# Altium PCB MiniPC.PcbDoc (part 8 of 23)
Units mm, origin at the board's own origin, x right, y up, seen from the top; angles counter-clockwise.
Board outline 175 x 155 mm, 16 copper layers (1_Top, 2_int1_(gnd), 3_int2_(power), 4_int3_(gnd), 5_int4_(sign), 6_int5_(power), 7_int6_(sign), 8_int7_(power), 9_int8_(gnd), 10_int9_(sign), 11_int10_(gnd), 12_int11_(sign), 13_int12_(gnd), 14_int13_(power), 15_int14_(gnd), 16_Bottom), stack 2.008 mm thick; 1046 components, 841 nets, 6010 pads, 4016 vias.
Unrouted connection lines stored in the file: 602.
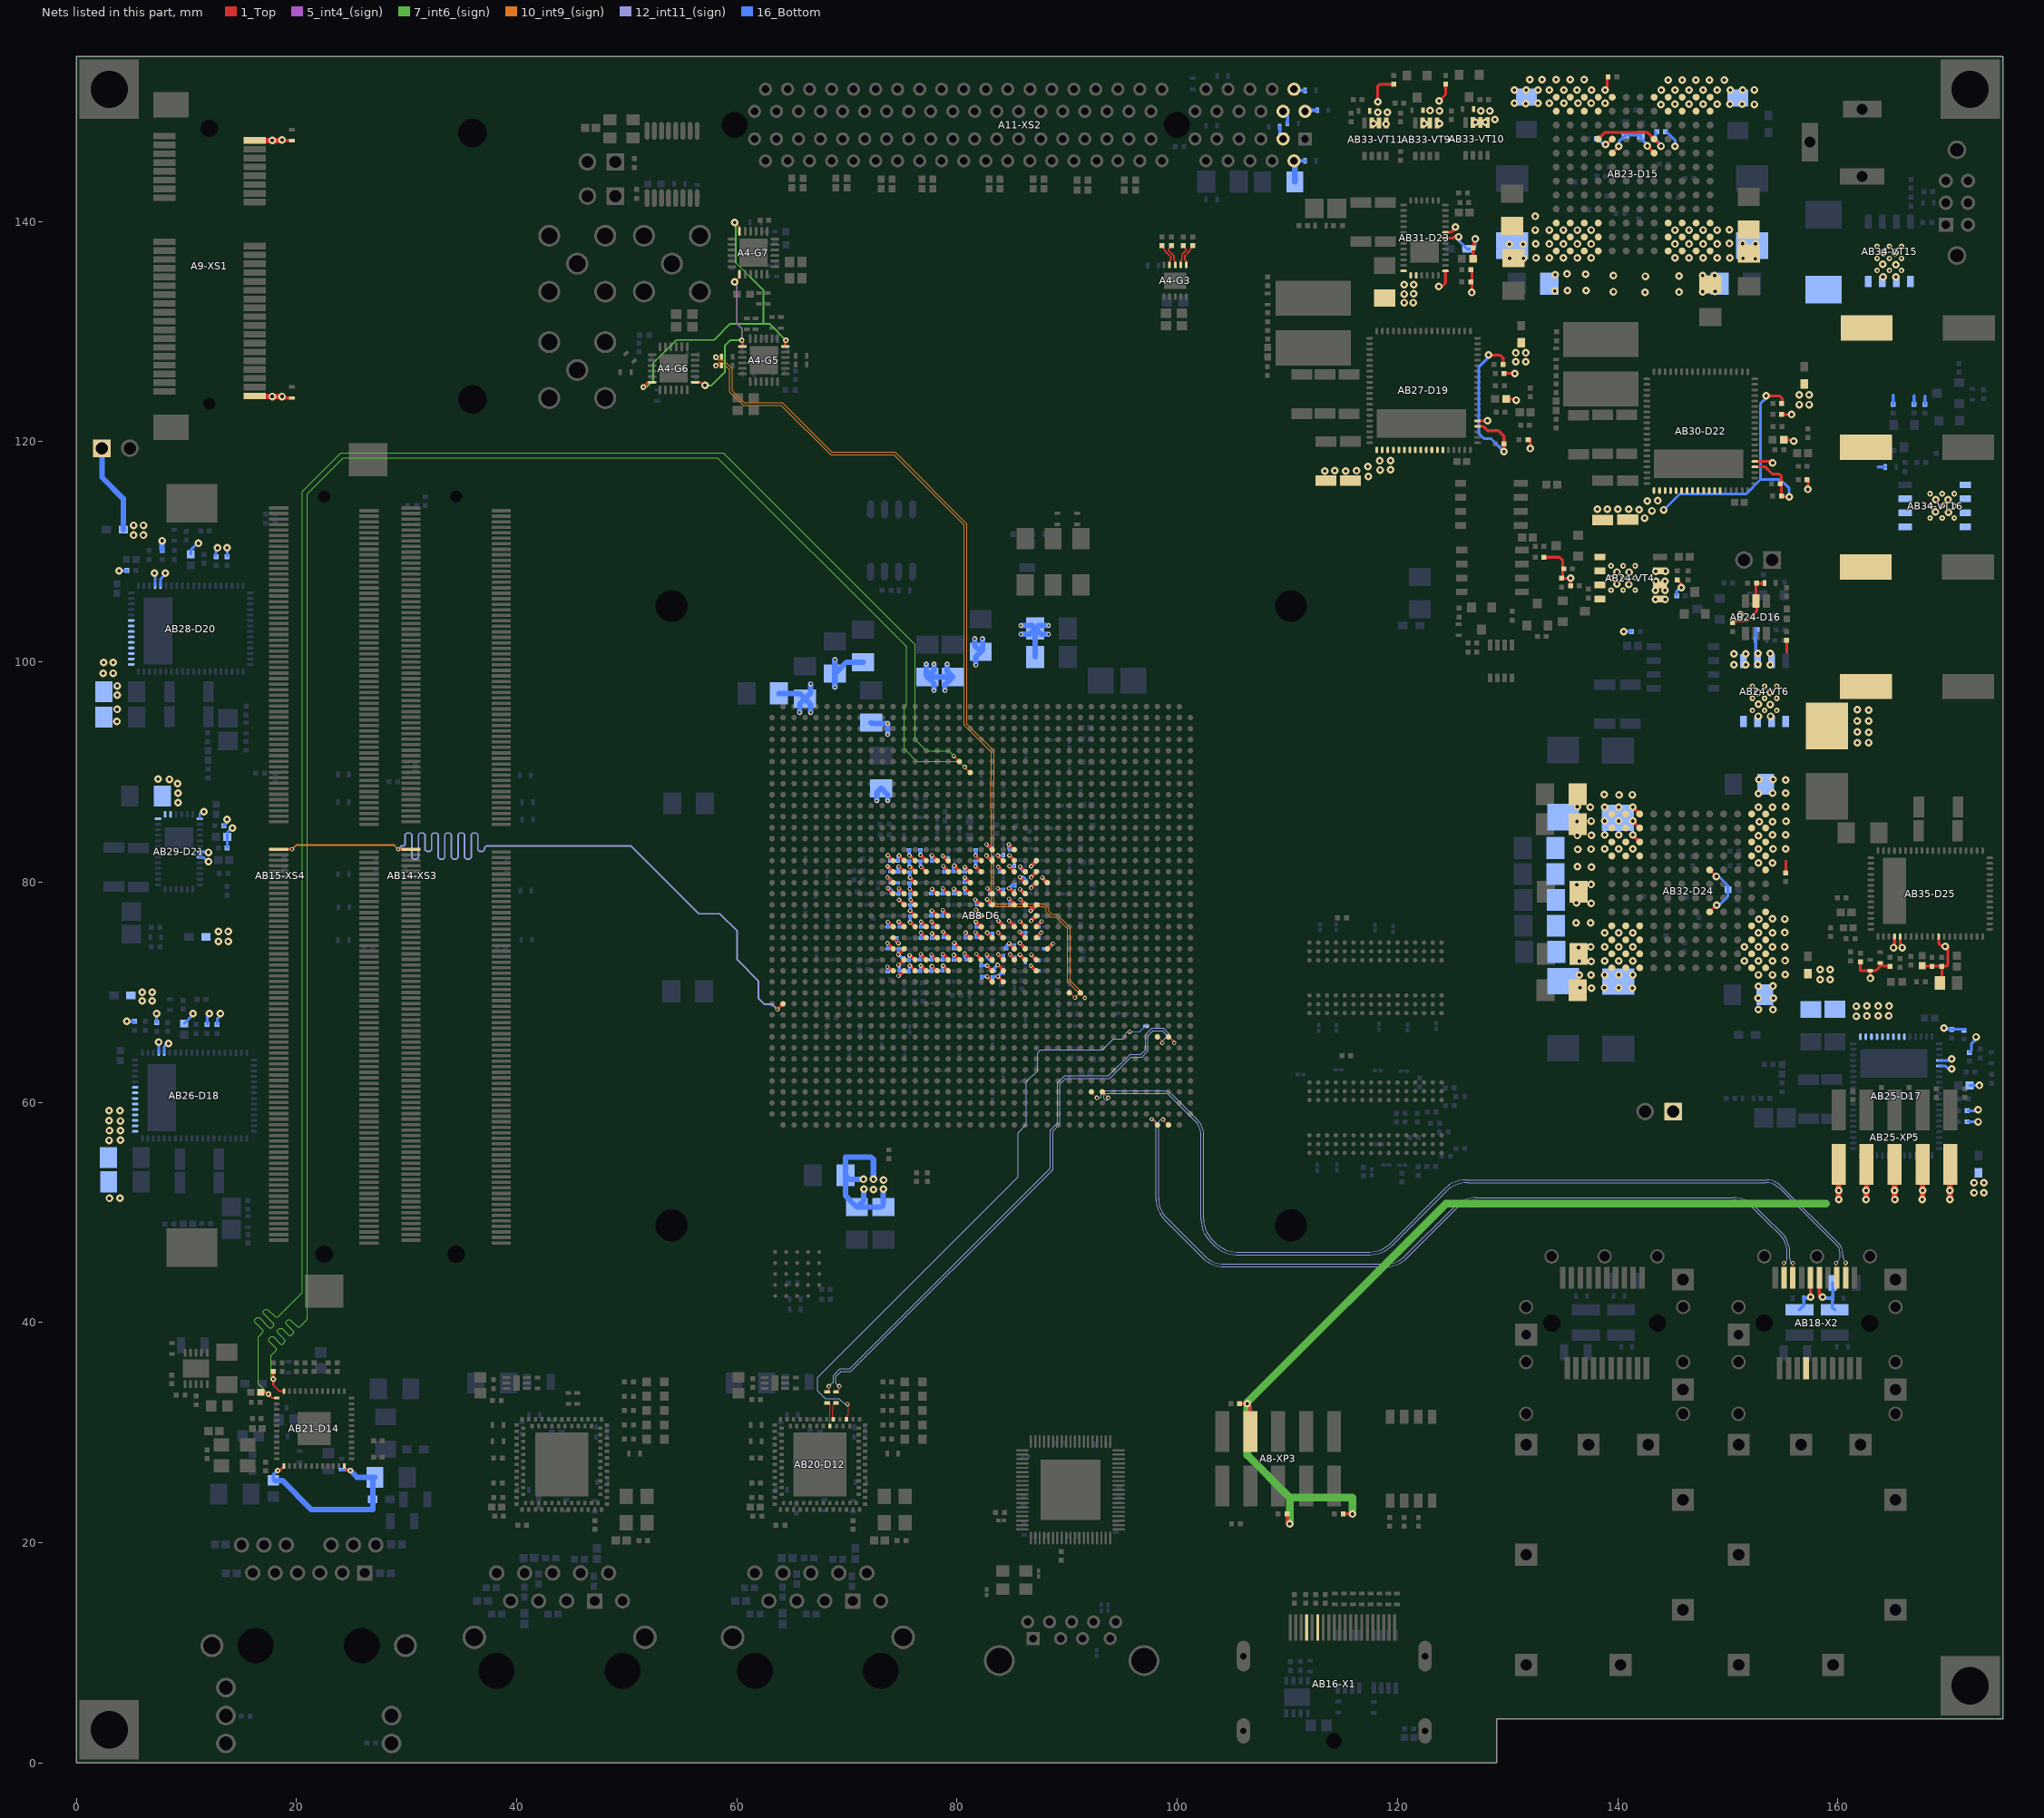
[diagram p22: the nets of this part, all layers, seen from the top]

## Via types
v1: diameter 0.4, hole 0.2, 1_Top to 16_Bottom, tented both sides, 1658 vias
v2: diameter 0.7, hole 0.3, 1_Top to 16_Bottom, tented both sides, 915 vias
v3: diameter 0.5, hole 0.2, 1_Top to 16_Bottom, tented both sides, 854 vias
v4: diameter 0.6, hole 0.2, 1_Top to 16_Bottom, 278 vias
v5: diameter 0.5, hole 0.2, 1_Top to 16_Bottom, 162 vias
v6: diameter 0.4, hole 0.2, 1_Top to 16_Bottom, 100 vias
v7: diameter 0.4/0/0/0/0/0/0/0/0/0/0/0/0/0/0/0.4 (per signal layer), hole 0.2, 1_Top to 16_Bottom, tented both sides, 18 vias
v8: diameter 0.4/0/0/0/0/0/0/0/0/0/0/0.4/0.4/0.4/0.4/0.4 (per signal layer), hole 0.2, 1_Top to 16_Bottom, tented both sides, 16 vias
v9: diameter 0.5, hole 0.254, 1_Top to 16_Bottom, 15 vias

## Nets (pads, with @x,y where several pads share a name; then routed paths per layer and width w, separated by ;. In a path a pad name is that pad's centre, name@x,y a point inside that pad or via, vN(x,y) a via of type N, cw(c..) or ccw(c..) an arc to the next point about the centre after c; other vN are vias at no path point) (continued)
2ENET_RXC_P: AB20-C390.2 AB20-D12.A42 | length 54.6
  1_Top w0.1: AB20-D12.A42@69.95,31.2 69.95,31.45 70.14,31.64 70.14,32.485 v1(70.05,32.575)
  12_int11_(sign) w0.09: v1(70.05,32.575) 69.8,32.575 69.275,33.1 68.04,33.1 67.34,33.8 67.34,35.032 85.54,53.232 85.54,57.241 86.3,58.001 86.3,61.861 87.3,62.861 87.3,64.488 87.572,64.76 93.199,64.76 94.189,65.75 95.045,65.75 95.315,66.02 95.315,66.225 95.49,66.4 v6(95.675,66.4)
  16_Bottom w0.1: v6(95.675,66.4) 96.575,66.4 97.025,66.85 97.1,66.85 AB20-C390.2@97.15,66.9
2ENET_TX_N: AB8-D6.AL36 AB20-C376.1 | length 51.5
  1_Top w0.1: AB20-C376.1@69,33.7 69.3,34 v1(69.3,34.2) v1@69.25,34.25 ; AB8-D6.AL36@98.194,65.939 98.63,65.503 v1(98.63,65.38)
  12_int11_(sign) w0.09: v1(69.3,34.2) 69,34.5 69,35.1 69.46,35.56 70.359,35.56 88.7,53.901 88.7,57.388 89.349,58.037 89.349,61.637 89.872,62.16 93.859,62.16 95.8,64.101 96.776,64.101 97.34,64.665 97.34,66.055 97.785,66.5 98.63,66.5 99.03,66.1 99.03,65.93 98.63,65.53 v1(98.63,65.38)
2ENET_TX_P: AB8-D6.AL37 AB20-C377.1 | length 52.3
  1_Top w0.1: AB20-C377.1@68.35,33.7 v1(68.35,34.2) v1@68.35,34.25 ; AB8-D6.AL37@99.194,65.939 99.261,65.939 99.71,65.49 v1(99.71,65.39)
  12_int11_(sign) w0.09: v1(68.35,34.2) 68.36,34.2 68.76,34.6 68.76,35.199 69.361,35.8 70.26,35.8 88.46,54 88.46,57.487 89.109,58.136 89.109,61.736 89.773,62.4 93.76,62.4 95.701,64.341 96.676,64.341 97.1,64.764 97.1,66.154 97.686,66.74 98.729,66.74 99.27,66.199 99.27,65.93 99.71,65.49 v1(99.71,65.39)
2ENET_TXC_N: AB20-C376.2 AB20-D12.A44 | length 1.7
  1_Top w0.1: AB20-D12.A44@68.75,31.2 68.7,31.25 68.7,31.989 68.72,32.009 68.72,32.52 68.9,32.7 AB20-C376.2@69,32.7
2ENET_TXC_P: AB20-C377.2 AB20-D12.B38 | length 2.3
  1_Top w0.1: AB20-C377.2@68.2,32.7 68.3,32.7 68.5,32.5 68.5,32.1 68.45,32.05 AB20-D12.B38@68.45,30.6
2EXT_SDA: AB18-X2.4
2SFP_RX_N: AB8-D6.AT30 AB18-X2.12 | length 87.9
  1_Top w0.1: AB8-D6.AT30@92.194,60.939 92.194,60.906 v8(92.7,60.4) ; AB18-X2.12@160.7,44.05 v8(160.7,45.425)
  12_int11_(sign) w0.09: v8(92.7,60.4) 92.997,60.4 93.097,60.5 93.097,60.736 93.4,61.039 ; 93.4,61.04 98.817,61.04 cw(c98.817,60.117) 99.47,60.77 101.806,58.433 cw(c100.373,57) 102.4,57 102.4,49.352 ccw(c104.94,49.352) 103.144,47.556 103.556,47.144 ccw(c105.352,48.94) 105.352,46.4 117.508,46.4 ccw(c117.508,48.94) 119.305,47.144 124.357,52.196 cw(c126.153,50.4) 126.153,52.94 153.544,52.94 cw(c153.544,51.165) 154.799,52.42 160.138,47.082 cw(c159.456,46.4) 160.42,46.4 160.42,46.099 ccw(c161.372,46.099) 160.699,45.426 v8(160.7,45.425)
2SFP_RX_P: AB8-D6.AT31 AB18-X2.13 | length 87.5
  1_Top w0.1: AB8-D6.AT31@93.194,60.939 v8(93.733,60.4) ; v8(159.825,45.4) 159.825,44.125 AB18-X2.13@159.9,44.05
  12_int11_(sign) w0.09: v8(93.733,60.4) 93.733,60.283 93.65,60.2 93.475,60.2 93.337,60.338 93.337,60.637 93.5,60.8 98.817,60.8 cw(c98.817,60.117) 99.3,60.6 ; 99.3,60.6 101.637,58.263 cw(c100.373,57) 102.16,57 102.16,49.352 ccw(c104.94,49.352) 102.974,47.386 103.386,46.974 ccw(c105.352,48.94) 105.352,46.16 117.508,46.16 ccw(c117.508,48.94) 119.474,46.974 124.386,51.886 cw(c126.352,49.92) 124.387,51.887 cw(c126.352,49.92) 126.352,52.7 153.445,52.7 cw(c153.445,50.925) 154.7,52.18 159.968,46.912 cw(c159.456,46.4) 160.18,46.4 160.18,46 cw(c159.589,46) 160.007,45.582 v8(159.825,45.4)
2SFP_TX_N: AB8-D6.AW36 AB18-X2.19 | length 75.5
  1_Top w0.1: v8(97.675,58.458) AB8-D6.AW36@98.194,57.939 ; AB18-X2.19@155.1,44.05 v8(155.1,45.4)
  12_int11_(sign) w0.09: v8(97.675,58.458) cw(c97.675,58.153) 97.891,58.369 98.06,58.2 98.06,51.252 ccw(c100.84,51.252) 98.874,49.286 102.286,45.874 ccw(c104.252,47.84) 104.252,45.06 118.908,45.06 ccw(c118.908,47.84) 120.874,45.874 125.356,50.356 cw(c127.152,48.56) 127.152,51.1 150.525,51.1 cw(c150.525,48.56) 152.321,50.356 153.99,48.687 cw(c152.248,46.52) 154.214,48.486 154.7,48 cw(c153.058,46.358) 155.38,46.358 155.38,45.799 cw(c154.851,45.799) 155.225,45.425 155.2,45.4 v8(155.1,45.4)
2SFP_TX_P: AB8-D6.AW37 AB18-X2.18 | length 75.5
  1_Top w0.1: v8(98.7,58.433) AB8-D6.AW37@99.194,57.939 ; AB18-X2.18@155.9,44.05 v8(155.9,45.4)
  12_int11_(sign) w0.09: v8(98.7,58.433) ccw(c98.7,58.031) 98.416,58.316 98.3,58.2 98.3,51.252 ccw(c100.84,51.252) 99.044,49.456 102.456,46.044 ccw(c104.252,47.84) 104.252,45.3 118.908,45.3 ccw(c118.908,47.84) 120.705,46.044 125.186,50.526 cw(c127.152,48.56) 127.152,51.34 150.525,51.34 cw(c150.525,48.56) 152.491,50.526 154.028,48.988 cw(c152.447,47) 154.243,48.796 154.876,48.163 cw(c153.08,46.367) 155.62,46.367 155.62,45.799 ccw(c156.149,45.799) 155.775,45.425 155.8,45.4 v8(155.9,45.4)
2SFP_VCCR: AB18-C372.2 AB18-C374.2 AB18-L9.2 AB18-X2.15 | length 5.6
  1_Top w0.3: AB18-X2.15@158.3,44.05 158.3,42.4 158.5,42.2 v2(158.6,42.3)
  16_Bottom w0.3: v2(158.6,42.3) 158.7,42.2 AB18-C372.2@159.5,42.2 ; AB18-C374.2@159.525,43.6 159.525,42.225 AB18-C372.2@159.5,42.2 ; AB18-L9.2@159.7,41.145 159.5,41.345 AB18-C372.2@159.5,42.2
2SFP_VCCT: AB18-C373.2 AB18-L10.2 AB18-X2.16 | length 3.6
  1_Top w0.3: v2(157.5,42.3) AB18-X2.16@157.5,44.05
  16_Bottom w0.3: AB18-L10.2@156.5,41.145 156.9,41.545 AB18-C373.2@156.9,42.2 157.4,42.2 v2(157.5,42.3)
3V3: A8-R19.2 A8-R20.1 A8-R21.1 A8-XP3.4 A9-C69.2 A9-C70.1 A9-XS1.2 A9-XS1.52 AB23-C425.2 AB23-C426.2 AB23-C428.2 AB23-C429.2 AB23-C431.2 AB23-C432.2 AB23-C433.1 AB23-C434.2 AB23-C435.1 AB23-D15.A1 AB23-D15.A2 AB23-D15.A3 AB23-D15.B1 AB23-D15.B2 AB23-D15.B3 AB23-D15.C1 AB23-D15.C2 AB23-D15.C3 AB23-D15.D1 AB23-D15.D2 AB23-D15.D3 AB23-D15.J1 AB23-D15.J2 AB23-D15.J3 AB23-D15.K1 AB23-D15.K2 AB23-D15.K3 AB23-D15.L1 AB23-D15.L2 AB23-D15.L3 AB23-D15.M1 AB23-D15.M2 AB23-D15.M3 AB23-R135.2 AB24-C442.2 AB24-D16.5 AB24-R165.1 AB24-R166.1 AB24-VT4.5 AB24-VT4.6 AB24-VT4.7 AB24-VT4.8 AB30-C486.2 AB30-C487.2 AB30-D22.39 AB30-D22.40 AB30-D22.41 AB30-D22.42 AB30-D22.43 AB30-D22.44 AB30-D22.45 AB30-D22.46 AB30-D22.47 AB30-D22.48 AB30-D22.49 AB30-D22.50 AB30-D22.51 AB30-D22.60 AB30-R236.2 AB30-R238.1 AB30-R239.1 AB31-C496.2 AB31-D23.19 AB31-D23.20 AB31-D23.21 AB31-D23.33 AB31-R250.1 AB31-R251.1 AB33-C517.2 AB33-C518.2 AB33-C519.2 AB33-R269.2 AB33-R270.2 AB33-VT9.1 AB33-VT9.2 AB33-VT9.3 AB33-VT10.1 AB33-VT10.2 AB33-VT10.3 AB33-VT11.1 AB33-VT11.2 AB33-VT11.3 | length 137.2
  1_Top w0.25: v2(18.7,124.1) 18.84,123.96 A9-C69.2@19.583,123.96 ; v2(18.7,147.4) 18.75,147.35 18.772,147.328 A9-C70.1@19.583,147.328 ; v2(118.2,150.875) 118.2,152.22 118.17,152.25 118.37,152.45 AB33-R269.2@119.67,152.45 ; v2(123.77,150.95) 124.37,151.55 AB33-R270.2@124.37,152.45 ; AB31-D23.33@124.35,139 124.833,139 v2@125.05,139.217 ; v2(125.25,139.5) 125.25,139.425 v2@125.05,139.225 ; AB31-R251.1@126.55,135.7 126.75,135.5 126.75,134.5 v2(126.75,133.54) ; AB24-R165.1@150.445,103.6 150.545,103.7 151.695,103.7 152.645,104.65 AB24-D16.5@152.645,105.55 ; AB30-D22.60@152.445,117.7 153.396,117.7 154.036,117.06 154.67,117.06 154.87,116.86 154.87,116.16 AB30-R236.2@154.87,115.06 154.795,114.985 v2(155.57,114.985) ; AB24-D16.5@152.545,105.525 152.545,107.15 152.645,107.15 AB24-C442.2@153.345,107.15 ; v2(153.47,124.16) 154.7,124.16 154.945,123.915 AB30-R239.1@154.945,123.46 ; v2@125.05,139.217 125.05,139.2 125.075,139.225 v2@125.05,139.225 ; v2@125.05,139.217 v2@125.05,139.225
  1_Top w0.3: A8-R19.2@105.66,32.625 v2(106.36,32.625) 106.62,32.365 A8-XP3.4@106.62,30.1 ; A8-R21.1@109.96,22.625 109.96,21.94 v2(110.2,21.7) ; A8-R20.1@115.06,22.625 115.875,22.625 v2(115.9,22.6) ; 151.12,103.75 v2(151.12,104.25)
  1_Top w0.5: A9-XS1.52@16.2,124.15 16.25,124.1 v2(17.8,124.1) v2(18.7,124.1) ; A9-XS1.2@16.2,147.35 v2(17.8,147.35) v2@18.75,147.35
  7_int6_(sign) w0.7: v2(110.2,21.7) 110.2,24.1 ; v2(115.9,22.6) 115.9,24.1 110.2,24.1 ; 158.92,50.8 124.4,50.8 106.36,32.76 v2(106.36,32.625) 106.36,27.94 110.2,24.1
  16_Bottom w0.25: v2(144.18,113.8) 145.63,115.25 151.66,115.25 152.97,116.56 ; AB23-R135.2@144.438,148.138 145.2,147.375 v2(145.2,146.825) ; v2(153.47,124.16) 153.47,123.96 152.97,123.46 152.97,116.56 ; v2(155.57,114.985) 155.57,115.76 154.77,116.56 152.97,116.56
  other v2: 141.01,107.04 139.92,107.07 139.94,108.16 141.05,108.16 142.43,113.06 143.11,113.72 141.94,113.84 138.16,113.88 139.06,113.87 140,113.87 140.99,113.87 142.67,114.62 143.64,114.63 120.6,132.63 121.42,132.63 120.61,133.41 121.45,133.44 142.48,133.56 145.56,133.58 139.61,133.62 147.72,133.62 148.84,133.64 134.29,133.68 135.42,133.71 137.13,133.71 120.61,134.26 121.46,134.26 142.5,135.02 145.56,135.03 139.61,135.08 147.72,135.08 148.8,135.09 134.32,135.18 137.09,135.22 135.4,135.23 152.5,136.6 130.18,136.66 131.43,136.65 151.38,136.66 132.57,136.68 133.78,136.68 135.05,136.68 136.32,136.68 137.59,136.68 145.21,136.68 146.48,136.68 147.75,136.68 149.02,136.68 150.18,136.69 130.16,137.93 131.39,137.92 133.78,137.95 135.05,137.95 136.32,137.95 137.59,137.95 145.21,137.95 146.48,137.95 147.75,137.95 149.02,137.95 132.55,137.97 150.15,137.99 151.34,137.99 152.51,137.98 132.52,139.22 133.78,139.22 135.05,139.22 136.32,139.22 137.59,139.22 145.21,139.22 146.48,139.22 147.75,139.22 149.02,139.22 150.14,139.24 132.5,140.46 118.96,148.84 117.82,148.87 122.42,148.87 123.82,148.87 127.08,149 127.97,149.02 128.854,149.25 118.2,149.925 119.075,149.925 123.8,150.038 127.57,150.05 128.37,150.05 122.961,150.063
  other v5: 139.385,106.515 140.485,106.515 141.585,106.515 139.385,107.615 140.485,107.615 141.585,107.615 139.385,108.715 140.485,108.715 141.585,108.715
3V3_AVDDH: AB21-C409.2 AB21-C410.2 AB21-C411.2 AB21-D14.1 AB21-D14.12 AB21-L12.2 | length 19.2
  1_Top w0.2: v3(18.3,26.55) 18.5,26.55 18.862,26.911 AB21-D14.1@18.862,26.975 ; AB21-D14.12@24.362,26.975 24.362,26.788 24.6,26.55 v3(24.9,26.55)
  16_Bottom w0.3: AB21-C410.2@18.056,25.65 AB21-C410.2@17.897,25.65 17.897,26.177 18.269,26.55 v3(18.3,26.55) ; AB21-C411.2@24.097,26.625 24.824,26.625 v3(24.9,26.55)
  16_Bottom w0.5: AB21-C410.2@18.056,25.65 18.709,25.65 21.36,23 26.925,23 AB21-L12.2@26.925,23.95 26.925,25.75 AB21-C409.2@26.725,25.95 ; v3(24.9,26.55) 25.5,25.95 AB21-C409.2@26.725,25.95 ; AB21-C409.2@27.125,25.95 AB21-C409.2@26.725,25.95
3V3_OUTPUT: AB24-VT4.1 AB24-VT4.2 AB24-VT4.3 AB25-C443.2 AB25-C444.2 AB25-D17.35 AB25-D17.36 AB25-D17.37 AB25-D17.38 AB25-D17.39 AB25-D17.40 AB25-D17.41 AB25-D17.42 AB25-D17.43 AB25-D17.52 AB25-R167.2 AB25-R168.2 AB25-R170.1 AB26-C452.2 AB26-C453.2 AB26-D18.35 AB26-D18.36 AB26-D18.37 AB26-D18.38 AB26-D18.39 AB26-D18.40 AB26-D18.41 AB26-D18.42 AB26-D18.43 AB26-D18.52 AB26-R187.2 AB26-R190.1 AB27-C461.2 AB27-C462.2 AB27-D19.39 AB27-D19.40 AB27-D19.41 AB27-D19.42 AB27-D19.43 AB27-D19.44 AB27-D19.45 AB27-D19.46 AB27-D19.47 AB27-D19.48 AB27-D19.49 AB27-D19.50 AB27-D19.51 AB27-D19.60 AB27-R200.2 AB27-R202.1 AB28-C471.2 AB28-C472.2 AB28-D20.35 AB28-D20.36 AB28-D20.37 AB28-D20.38 AB28-D20.39 AB28-D20.40 AB28-D20.41 AB28-D20.42 AB28-D20.43 AB28-D20.52 AB28-R215.2 AB28-R216.1 AB29-C480.2 AB29-D21.19 AB29-D21.20 AB29-D21.21 AB29-D21.33 AB29-R229.1 | length 28.4
  1_Top w0.25: AB27-D19.60@127.265,121.395 127.781,121.395 128.181,120.995 129.165,120.995 129.665,120.495 AB27-R200.2@129.665,119.795 v2(129.665,119.095) ; v2(128.265,127.87) 129.29,127.87 129.615,127.545 AB27-R202.1@129.615,126.995
  16_Bottom w0.25: v2(3.9,108.26) 3.94,108.3 AB28-R215.2@4.6,108.3 ; v2(4.595,67.35) 4.495,67.35 AB26-R187.2@5.295,67.35 ; v2(7.1,108.06) 7.1,107.86 7.15,107.81 AB28-D20.52@7.15,106.91 ; v2(7.495,65.45) 7.495,65.539 7.5,65.545 AB26-D18.52@7.5,64.5 ; AB29-D21.33@11.225,82.25 11.566,82.25 11.741,82.075 11.749,82.075 v2@12.025,81.799 ; v2@12.025,81.739 12,81.764 v2@12.025,81.789 ; v2(12.025,81.85) v2@12.025,81.799 ; AB26-R190.1@12.795,67.1 12.795,67.55 13.07,67.825 13.095,67.8 v2(13.095,68.05) ; AB29-R229.1@13.4,85.1 13.7,85.4 v2(13.7,85.7) ; AB28-R216.1@13.7,109.61 v2(13.7,110.36) ; v2(128.265,127.87) 128.265,127.67 127.365,126.77 127.365,120.765 127.86,120.27 128.49,120.27 v2(129.665,119.095) ; AB25-D17.52@169.185,63.806 170.21,63.806 v2(170.335,63.93) ; v2(169.635,66.73) 169.735,66.63 AB25-R168.2@170.335,66.63 171.435,66.63 AB25-R167.2@171.535,66.63 ; AB25-R170.1@171.785,58.23 v2(172.735,58.23) ; v2@12.025,81.789 v2@12.025,81.799 ; v2@12.025,81.789 12.03,81.794 v2@12.025,81.799
  other v2: 3.01,51.27 3.96,51.3 2.98,56.54 4.02,56.56 3.01,57.42 4.02,57.42 4.01,58.31 2.99,58.33 2.99,59.24 3.98,59.23 161.66,67.82 162.63,67.83 163.64,67.85 164.62,67.84 161.66,68.71 162.62,68.75 163.64,68.74 164.64,68.74 9.25,87.21 9.26,88.07 9.22,88.95 7.44,89.35 8.45,89.33 3.7,94.58 3.71,95.68 3.72,96.98 3.73,97.82 2.46,98.94 3.35,98.97 2.48,99.93 3.35,99.94 143.43,105.68 144.31,105.66 143.42,106.49 144.29,106.49 143.46,107.33 144.28,107.32 143.45,108.21 144.33,108.24 117.34,116.83 113.39,117.34 115.3,117.34 114.29,117.36 116.29,117.35 118.41,117.43 119.37,117.44 117.31,117.73 118.38,118.26 119.38,118.27
3V3_SENSE+: AB23-D15.D9 AB23-D15.H9 AB23-R135.1 | length 8
  1_Top w0.25: AB23-D15.D9@138.225,147.475 138.815,148.065 142.715,148.065 AB23-D15.H9@143.305,147.475 v2(143.938,146.843)
  16_Bottom w0.25: AB23-R135.1@143.438,148.138 143.438,147.438 143.938,146.938 v2(143.938,146.843)
3V3_SENSE-: AB23-D15.E9 AB23-R136.1 | length 2.1
  1_Top w0.25: v2(138.885,146.982) 138.885,146.865 139.335,147.315 AB23-D15.E9@139.495,147.315
  16_Bottom w0.25: AB23-R136.1@138.18,147.52 138.88,146.82 138.885,146.825 v2(138.885,146.982)
12V_INPUT: AB23-C423.2 AB23-C424.2 AB23-D15.A11 AB23-D15.A12 AB23-D15.B11 AB23-D15.B12 AB23-D15.C11 AB23-D15.C12 AB23-D15.D11 AB23-D15.D12 AB23-D15.E12 AB23-D15.H12 AB23-D15.J11 AB23-D15.J12 AB23-D15.K11 AB23-D15.K12 AB23-D15.L11 AB23-D15.L12 AB23-D15.M11 AB23-D15.M12 AB23-R144.2 AB24-C441.2 AB24-R152.2 AB24-R154.1 AB24-R158.2 AB24-R159.2 AB24-VT6.1 AB24-VT6.2 AB24-VT6.3 AB34-C521.1 AB34-C522.1 AB34-C523.1 AB34-C524.1 AB34-C526.2 AB34-R280.2 AB34-R281.2 AB34-R284.2 AB34-R288.2 AB34-VD6.1 AB34-VT15.5 AB34-VT15.6 AB34-VT15.7 AB34-VT15.8 AB34-VT16.1 AB34-VT16.2 AB34-VT16.3 AB34-XP7.1 AB35-F1.2 AB36-R304.2 AB36-R307.2 AB36-R308.2 AB36-R312.2 | length 15
  1_Top w0.25: AB36-R308.2@133.3,109.5 134.71,109.5 135.01,109.2 AB36-R304.2@135.01,108.5 ; AB36-R304.2@135.11,108.4 AB36-R304.2@135.01,108.5 ; v2@135.61,107.6 AB36-R307.2@134.91,107.6 135.01,107.7 AB36-R304.2@135.01,108.5 ; AB36-R312.2@135.71,106.9 135.71,107.5 135.81,107.6 v2(135.71,107.6) ; v2(138.86,151.92) 139.02,152.08 AB23-R144.2@139.02,153.12 ; AB24-R158.2@145.395,107.45 145.76,107.085 v2(145.76,106.73)
  1_Top w0.3: AB23-D15.B11@135.685,150.015 AB23-D15.B11@135.685,150.14 ; AB23-D15.B12@135.685,151.285 AB23-D15.B12@135.685,151.34 ; v2@136.3,152.13 v2@136.315,152.13 ; AB23-D15.C11@136.955,150.015 AB23-D15.C11@136.955,150.07
  16_Bottom w0.25: v2(140.545,102.75) AB24-R152.2@141.245,102.75 ; AB24-R154.1@145.345,106 145.345,106.415 145.545,106.615 v2@145.68,106.615
  16_Bottom w0.3: AB24-R159.2@152.56,102.93 152.52,102.89 AB24-C441.2@152.52,101.96 152.52,100.97 v2(152.73,100.76) ; 163.59,119.2 AB34-R288.2@164.3,119.2 ; 163.67,117.7 AB34-C526.2@164.3,117.7 ; AB34-R281.2@165,123.4 165,124.21 ; AB34-R284.2@166.9,123.4 166.9,124.18 ; AB34-R280.2@167.9,123.4 167.9,124.12
  other v2: 161.75,92.65 162.79,92.67 162.8,93.6 161.76,93.63 161.74,94.62 162.79,94.63 161.77,95.65 162.8,95.63 150.55,99.74 151.61,99.73 153.85,99.74 152.73,99.77 150.54,100.74 151.63,100.74 153.85,100.75 164.09,134.97 165.27,134.97 165.27,136.07 164.07,136.1 164.13,137.19 165.18,137.2 143.92,150.61 152.4,150.63 145.21,150.65 146.48,150.65 147.75,150.65 149.02,150.66 150.2,150.66 151.3,150.67 131.65,150.71 130.6,150.725 132.76,150.73 133.78,150.725 135.1,150.725 136.4,150.725 137.59,150.725 138.86,150.725 130.62,151.93 132.74,151.93 133.78,151.93 135.1,151.93 136.3,151.93 137.61,151.93 143.94,151.93 145.21,151.93 146.48,151.93 147.75,151.93 149.02,151.93 150.23,151.93 151.35,151.93 131.68,151.94 152.42,151.95 144.57,152.85 145.85,152.85 147.08,152.85 148.34,152.85 149.67,152.85 132.02,152.89 133.14,152.89 134.4,152.89 135.67,152.89 136.94,152.89
  other v5: 163.565,135.54 164.665,135.54 165.765,135.54 163.565,136.64 164.665,136.64 165.765,136.64 163.565,137.74 164.665,137.74 165.765,137.74
12V_OUTPUT: AB24-R162.2 AB24-VT6.5 AB24-VT6.6 AB24-VT6.7 AB24-VT6.8 AB32-C502.2 AB32-C503.2 AB32-D24.A11 AB32-D24.A12 AB32-D24.B11 AB32-D24.B12 AB32-D24.C11 AB32-D24.C12 AB32-D24.D11 AB32-D24.D12 AB32-D24.E12 AB32-D24.H12 AB32-D24.J11 AB32-D24.J12 AB32-D24.K11 AB32-D24.K12 AB32-D24.L11 AB32-D24.L12 AB32-D24.M11 AB32-D24.M12 AB32-R266.2 | length 2.3
  1_Top w0.25: AB32-R266.2@155.26,80.93 155.26,81.91 ; 155.345,100.85 AB24-R162.2@155.345,101.9
  1_Top w0.3: AB32-D24.C11@152.155,83.64 AB32-D24.C11@152.21,83.64 ; AB32-D24.B11@152.155,84.91 AB32-D24.B11@152.28,84.91 ; AB32-D24.B12@153.425,84.91 AB32-D24.B12@153.48,84.91 ; v2@154.065,84.28 v2(154.065,84.295)
  other v2: 152.76,68.42 154.09,68.41 152.75,69.46 154.13,69.46 152.77,70.54 154.08,70.55 152.79,71.575 154.06,71.575 155.2,71.61 151.5,72.84 152.79,72.845 154.06,72.845 155.19,72.86 151.49,74.11 152.79,74.115 154.06,74.115 155.15,74.12 152.79,75.385 154.06,75.385 155.16,75.41 152.82,76.63 155.16,76.64 154.06,76.655 152.79,81.735 154.06,81.735 154.11,83 152.79,83.005 155.26,83.01 152.765,84.195 155.25,84.3 152.865,85.495 154.065,85.495 155.27,85.51 152.79,86.815 154.06,86.815 155.24,86.83 152.79,88.05 154.07,88.08 155.24,88.08 152.83,89.3 154.11,89.3 155.24,89.28 152.76,95.06 153.87,95.06 153.85,96.13 152.78,96.14 153.84,97.22 152.71,97.23
  other v5: 152.23,95.59 153.33,95.59 154.43,95.59 152.23,96.69 153.33,96.69 154.43,96.69 152.23,97.79 153.33,97.79 154.43,97.79
AGND1: AB35-C527.2 AB35-C528.1 AB35-C529.1 AB35-D25.52 AB35-D25.53 AB35-D25.60 AB35-L24.2 AB35-R291.1 AB35-R293.1 AB35-R294.1 AB35-R297.1 AB35-R301.1 | length 14.5
  1_Top w0.25: AB35-R294.1@162.034,72.7 162.034,71.95 AB35-C528.1@162.934,71.95 ; v2(162.934,71.25) AB35-C528.1@162.934,71.95 ; AB35-C527.2@163.834,72.55 163.834,72.35 163.434,71.95 AB35-C528.1@162.934,71.95 ; AB35-C527.2@163.834,72.65 164.134,72.35 AB35-R301.1@164.734,72.35 ; v2(165.034,74.05) v2@164.884,74.05 ; AB35-D25.52@165.134,75.05 165.134,74.35 164.934,74.15 164.884,74.099 v2@164.884,74.05 ; AB35-D25.53@165.634,75.05 165.634,74.15 165.735,74.05 v2(165.834,74.05) ; AB35-C529.1@167.534,72.45 167.634,72.35 AB35-R291.1@168.534,72.35 AB35-R293.1@169.434,72.35 ; AB35-D25.60@169.134,75.05 169.134,74.45 169.434,74.15 v2(169.734,74.15) 169.834,74.15 169.959,74.025 169.959,72.475 169.834,72.35 AB35-R293.1@169.434,72.35 ; AB35-R297.1@169.434,70.75 AB35-R293.1@169.434,72.35 ; v2@164.884,74.05 164.884,74.001 164.834,74.05 v2@164.884,74.05
  other v2: 158.38,71.16 159.28,71.16 158.38,72.06 159.28,72.06
AGND2: AB31-C497.1 AB31-D23.26 AB31-D23.32 AB31-L22.2 AB31-R252.1 | length 7.8
  1_Top w0.25: v2(123.75,134.1) 124.05,134.1 124.35,134.4 AB31-D23.26@124.35,135.5 ; AB31-D23.32@124.35,138.5 125.05,138.5 125.25,138.7 v2@125.45,138.7
  1_Top w0.3: AB31-C497.1@126.86,136.6 126.86,137.51 126.95,137.6 126.95,138.3 v2(127.05,138.4)
  16_Bottom w0.25: v2(125.55,138.6) 125.55,138.275 AB31-L22.2@126.325,137.5 126.85,137.5 127.05,137.7 v2(127.05,138.4)
AGND3: AB30-C488.1 AB30-D22.61 AB30-L21.2 AB30-R237.2 AB30-R243.2 | length 4.8
  1_Top w0.25: AB30-D22.61@152.445,118.2 154.11,118.2 153.97,118.06 v2(154.07,118.06) ; AB30-R237.2@154.945,122.46 155.87,122.46 v2(155.77,122.46) ; AB30-C488.1@155.08,120.16 155.87,120.16 v2(155.97,120.06) ; v2(157.27,115.66) 157.295,115.685 AB30-R243.2@157.295,116.56